# KiCad board Batch 1.kicad_pcb (continued)
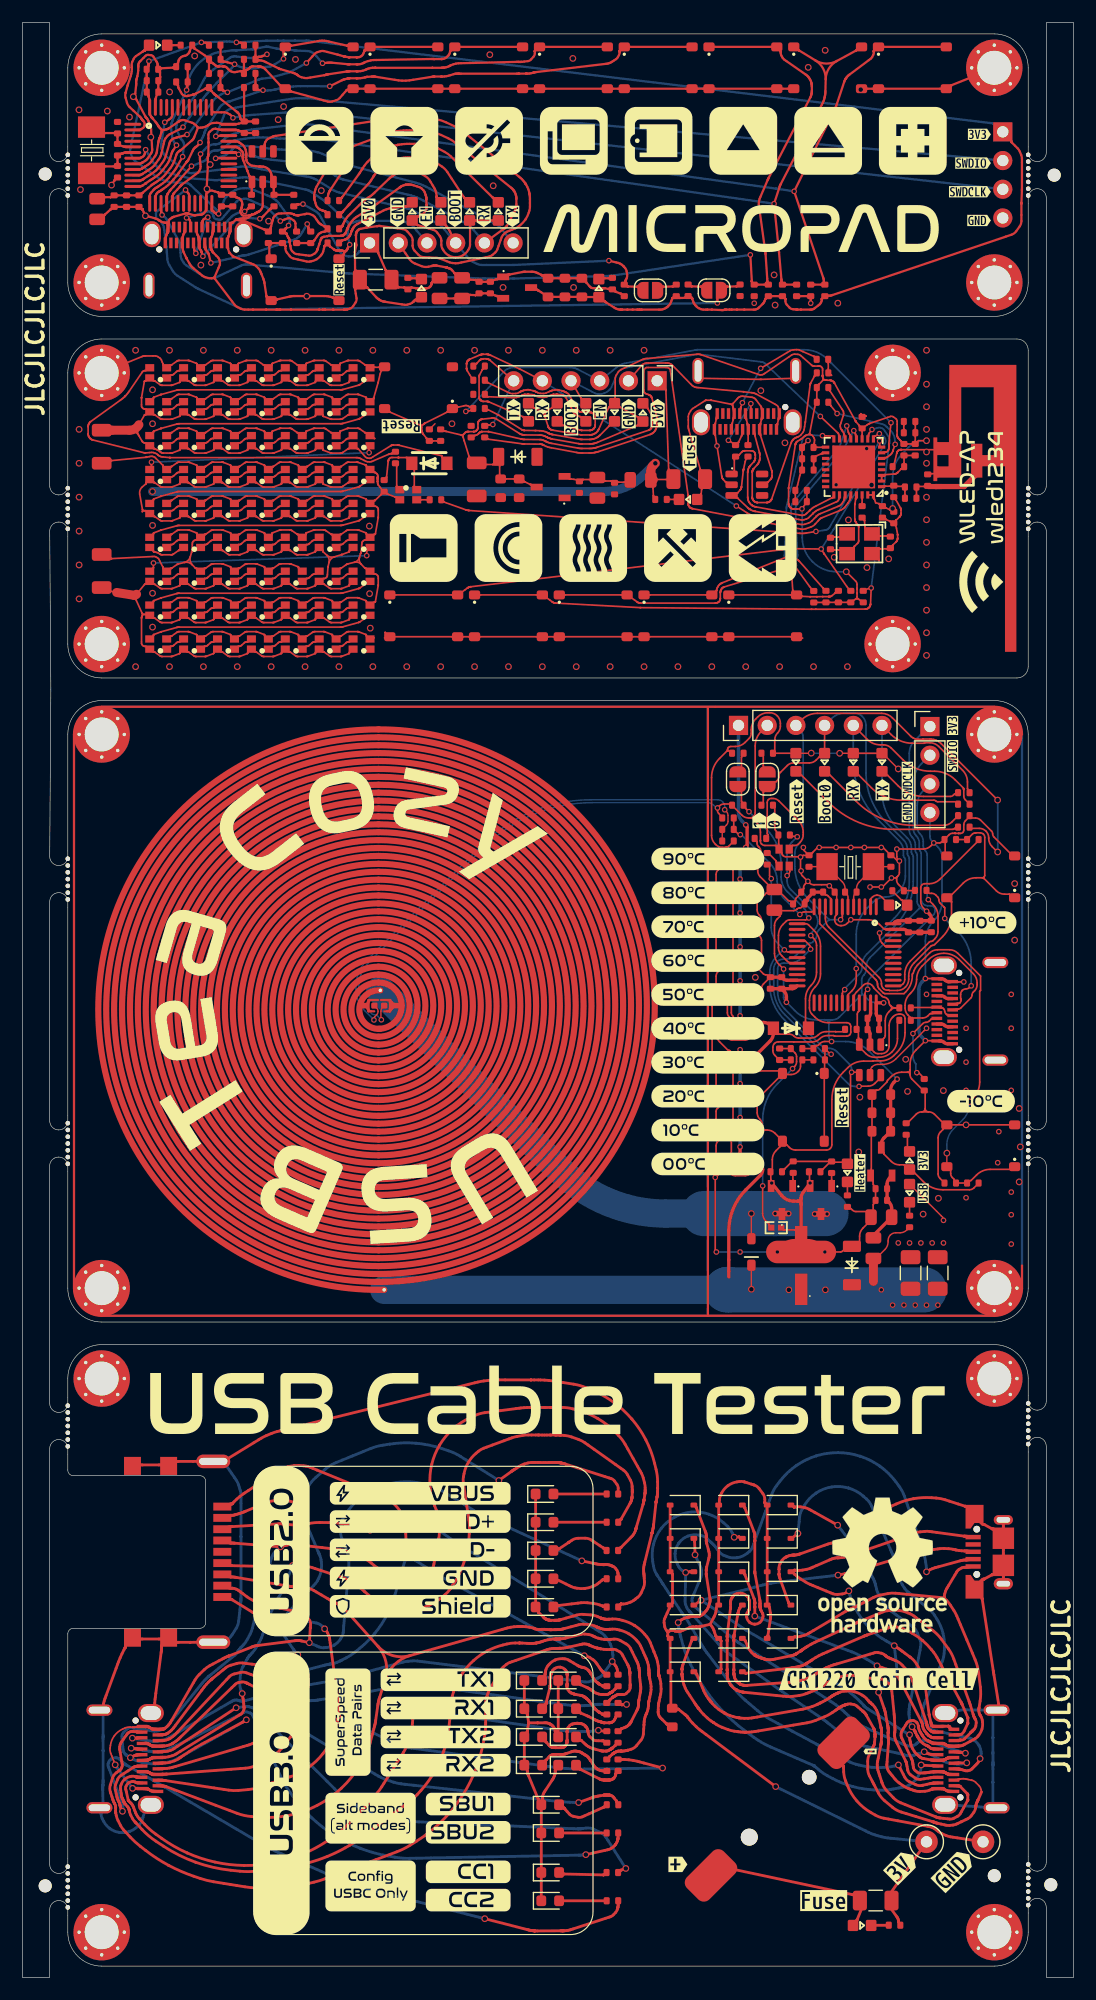
[diagram p0: board, top side]
## Routing (per net, layer and track width the routed paths; a pad name or vN(x,y) marks a point on that pad's centre or on a via; arc(x,y) is an arc through that point) (continued)
  Top w0.2: 16.56,169.66 16.71,169.46 arc(16.71,169.45) 16.71,169.45 arc(16.71,169.45) 16.71,169.45 16.71,169.45 arc(16.71,169.45) 16.71,169.45 16.72,169.45 arc(16.72,169.45) 16.72,169.44 arc(16.72,169.44) 16.72,169.44 16.76,169.43 arc(16.79,169.42) 16.82,169.4 16.88,169.37 arc(16.9,169.36) 16.93,169.34 17.09,169.2 arc(17.11,169.18) 17.13,169.17 17.18,169.15 arc(17.2,169.14) 17.23,169.14 17.29,169.13 arc(17.3,169.13) 17.31,169.13 arc(17.32,169.13) 17.33,169.13 17.36,169.13 arc(17.37,169.13) 17.38,169.13 arc(17.39,169.13) 17.39,169.13 17.75,169.13 arc(17.75,169.13) 17.76,169.13 arc(17.76,169.13) 17.76,169.13 arc(17.77,169.13) 17.77,169.13 17.81,169.13 arc(17.86,169.12) 17.9,169.11 17.99,169.08 arc(18.03,169.06) 18.06,169.03 18.32,168.76 arc(18.39,168.71) 18.47,168.68 18.63,168.62 arc(18.72,168.61) 18.8,168.61 19.31,168.71 arc(19.31,168.71) 19.32,168.71 19.32,168.71 arc(19.32,168.71) 19.32,168.71 arc(19.32,168.71) 19.33,168.71 19.5,168.57 ; 16.56,169.66 arc(16.5,169.75) 16.42,169.83 ; 16.56,169.66 arc(16.52,169.67) 16.5,169.64 ; 16.25,157.31 16.25,157.6 ; 16.25,157.31 16.25,157.6 ; 16.25,157.31 16.25,156.69 ; 16.25,157.31 16.25,156.69 ; 16.25,157.6 16.25,157.63 ; 16.25,157.6 arc(16.25,157.62) 16.25,157.63 ; 51.95,167.15 66.55,167.15 ; 51.95,167.15 51.55,167.15 ; 51.95,167.15 arc(51.77,167.11) 51.62,167 arc(51.63,167.1) 51.55,167.15 ; 49.33,150.38 46.69,150.38 arc(46.51,150.4) 46.33,150.46 46.03,150.61 arc(46.03,150.61) 46.03,150.61 arc(46.03,150.61) 46.03,150.61 arc(46.03,150.61) 46.03,150.62 46.02,150.62 arc(46.02,150.62) 46.02,150.62 arc(46.02,150.62) 46.02,150.62 46.02,150.62 arc(46.01,150.62) 46.01,150.62 46,150.63 arc(45.99,150.64) 45.98,150.64 45.96,150.66 arc(45.94,150.66) 45.93,150.67 arc(45.92,150.67) 45.91,150.68 45.49,150.87 arc(45.44,150.89) 45.38,150.91 45.26,150.94 arc(45.2,150.95) 45.14,150.95 44.44,150.95 arc(44.41,150.95) 44.39,150.95 44.33,150.94 arc(44.31,150.94) 44.28,150.93 44.23,150.92 43.09,150.7 arc(43.08,150.7) 43.08,150.7 arc(43.08,150.7) 43.08,150.7 43.07,150.7 arc(43.07,150.7) 43.07,150.7 43.01,150.7 arc(42.97,150.69) 42.92,150.68 42.14,150.32 arc(42.09,150.31) 42.04,150.3 41.99,150.3 arc(41.99,150.3) 41.98,150.3 41.98,150.3 arc(41.97,150.3) 41.97,150.3 41.84,150.26 arc(41.72,150.22) 41.6,150.16 41.5,150.11 arc(41.4,150.07) 41.29,150.06 40.51,150.06 arc(40.4,150.07) 40.3,150.11 40.09,150.22 arc(40.08,150.22) 40.08,150.22 arc(40.08,150.22) 40.08,150.22 arc(40.08,150.22) 40.08,150.22 39.65,150.25 arc(39.6,150.25) 39.55,150.25 arc(39.5,150.25) 39.45,150.26 39.2,150.33 arc(38.91,150.43) 38.63,150.57 38.25,150.81 arc(38.25,150.81) 38.24,150.81 arc(38.24,150.81) 38.24,150.81 arc(38.24,150.81) 38.24,150.82 38.24,150.82 arc(38.24,150.82) 38.24,150.82 arc(38.24,150.82) 38.23,150.82 37.99,151.11 arc(37.96,151.14) 37.93,151.17 37.86,151.21 arc(37.82,151.23) 37.78,151.25 37.73,151.26 arc(37.72,151.26) 37.71,151.27 37.6,151.3 arc(37.59,151.3) 37.59,151.31 37.58,151.31 arc(37.58,151.31) 37.58,151.31 arc(37.57,151.31) 37.57,151.31 37.56,151.31 arc(37.55,151.32) 37.55,151.32 37.46,151.34 arc(37.45,151.34) 37.44,151.34 arc(37.43,151.34) 37.42,151.35 36.68,151.49 36.64,151.5 arc(36.62,151.5) 36.6,151.5 36.56,151.5 arc(36.54,151.5) 36.52,151.5 36.39,151.49 arc(36.38,151.49) 36.37,151.49 36.36,151.49 arc(36.35,151.49) 36.34,151.48 arc(36.33,151.48) 36.32,151.48 36.23,151.46 arc(36.22,151.46) 36.22,151.46 35.92,151.39 arc(35.61,151.37) 35.32,151.44 34.73,151.68 arc(34.47,151.83) 34.26,152.05 33.9,152.57 J2.2 ; 49.33,150.38 arc(49.48,150.42) 49.59,150.53 arc(49.56,150.38) 49.63,150.26 ; 49.33,150.38 arc(49.49,150.34) 49.63,150.26 ; C27.2 69.66,148.79 arc(69.73,148.77) 69.75,148.7 69.75,148.47 v2(69.75,148.16) ; C3.2 19.59,168.61 ; 16.25,156.69 16.25,156.54 arc(16.22,156.39) 16.15,156.26 16.02,156.11 arc(16,156.08) 15.97,156.06 15.9,156.03 arc(15.87,156.01) 15.83,156.01 15.76,156 15.32,155.95 15.28,155.95 arc(15.26,155.94) 15.24,155.94 15.19,155.95 arc(15.17,155.95) 15.15,155.96 14.73,156.07 arc(14.72,156.08) 14.7,156.08 14.7,156.08 arc(14.69,156.08) 14.69,156.08 14.68,156.08 arc(14.68,156.09) 14.68,156.09 arc(14.67,156.09) 14.67,156.09 14.66,156.09 arc(14.66,156.09) 14.65,156.09 14.65,156.09 arc(14.65,156.09) 14.65,156.1 arc(14.64,156.1) 14.64,156.1 14.61,156.11 arc(14.58,156.11) 14.55,156.12 14.49,156.12 arc(14.46,156.12) 14.43,156.11 14.37,156.09 13.39,155.82 13.36,155.81 arc(13.34,155.8) 13.33,155.79 13.29,155.78 arc(13.28,155.77) 13.26,155.76 arc(13.25,155.75) 13.23,155.74 13.03,155.6 arc(13,155.58) 12.98,155.55 12.94,155.48 arc(12.93,155.45) 12.93,155.41 12.93,155.33 arc(12.92,155.28) 12.92,155.23 12.9,155.09 ; 19.5,168.57 arc(19.56,168.56) 19.59,168.61 ; 19.5,168.57 arc(19.58,168.55) 19.65,168.59 ; 6.83,155.73 7.25,155.99 arc(7.25,155.99) 7.26,155.99 arc(7.26,155.99) 7.26,155.99 7.26,155.99 arc(7.26,155.99) 7.26,155.99 7.8,156.48 arc(7.8,156.48) 7.8,156.48 arc(7.8,156.48) 7.8,156.48 arc(7.8,156.48) 7.81,156.48 8.01,156.63 arc(8.11,156.67) 8.21,156.69 10.19,156.69 arc(10.29,156.67) 10.39,156.63 10.59,156.48 arc(10.6,156.48) 10.6,156.48 arc(10.6,156.48) 10.6,156.48 arc(10.6,156.48) 10.6,156.48 10.6,156.48 arc(10.6,156.47) 10.6,156.47 arc(10.6,156.47) 10.6,156.47 10.61,156.47 arc(10.61,156.47) 10.61,156.47 10.61,156.47 arc(10.61,156.46) 10.61,156.46 10.77,156.1 arc(10.8,156.05) 10.84,156.01 v1(10.87,155.9) 10.94,155.93 arc(10.98,155.89) 11.04,155.87 11.16,155.84 11.69,155.69 11.78,155.66 arc(11.83,155.64) 11.87,155.62 11.96,155.58 arc(12.01,155.56) 12.05,155.53 12.08,155.51 arc(12.09,155.5) 12.09,155.5 arc(12.1,155.49) 12.1,155.49 12.15,155.45 arc(12.21,155.41) 12.28,155.38 12.41,155.33 arc(12.48,155.31) 12.55,155.3 12.71,155.28 arc(12.71,155.28) 12.71,155.28 arc(12.72,155.28) 12.72,155.28 12.72,155.28 arc(12.72,155.28) 12.72,155.28 12.78,155.28 arc(12.81,155.26) 12.83,155.23 12.85,155.09 ; 6.83,155.73 arc(6.61,155.57) 6.43,155.38 arc(6.47,155.56) 6.35,155.7 arc(6.6,155.65) 6.83,155.73 ; R26.1 52.96,149 arc(52.95,149) 52.95,149 arc(52.95,149) 52.95,149 arc(52.95,149) 52.95,149 52.5,149.18 arc(52.5,149.18) 52.5,149.18 arc(52.5,149.18) 52.5,149.18 arc(52.5,149.18) 52.49,149.18 52.29,149.33 arc(52.2,149.38) 52.09,149.41 52.03,149.42 arc(51.98,149.42) 51.93,149.43 51.88,149.43 arc(51.87,149.43) 51.87,149.43 51.87,149.43 arc(51.86,149.43) 51.86,149.43 arc(51.86,149.43) 51.86,149.43 51.52,149.5 arc(51.51,149.5) 51.49,149.5 51.46,149.5 arc(51.45,149.5) 51.44,149.5 51.43,149.5 arc(51.42,149.5) 51.42,149.5 51.41,149.5 arc(51.41,149.5) 51.41,149.5 arc(51.4,149.5) 51.4,149.5 51.39,149.5 arc(51.39,149.5) 51.38,149.5 50.56,149.5 50.47,149.5 arc(50.42,149.5) 50.38,149.52 50.29,149.56 arc(50.25,149.58) 50.22,149.61 49.89,150.01 arc(49.89,150.01) 49.89,150.01 arc(49.89,150.01) 49.89,150.01 arc(49.88,150.01) 49.88,150.01 49.63,150.26 ; 12.85,154.71 12.83,154.58 arc(12.83,154.53) 12.83,154.48 12.83,154.42 arc(12.82,154.41) 12.82,154.41 12.82,154.39 arc(12.82,154.39) 12.81,154.38 12.8,154.35 arc(12.79,154.33) 12.78,154.31 12.76,154.28 arc(12.75,154.26) 12.75,154.24 12.69,154.06 arc(12.68,154.05) 12.68,154.04 12.68,154.01 arc(12.68,154) 12.68,153.99 12.68,153.93 arc(12.67,153.88) 12.67,153.83 J1.B12 ; 12.85,154.71 12.9,155.09 ; 12.85,154.71 arc(12.86,154.9) 12.85,155.09 ; 12.09,168.91 12.13,168.93 arc(12.17,168.95) 12.22,168.96 12.27,168.96 arc(12.27,168.96) 12.27,168.96 arc(12.28,168.96) 12.28,168.96 13.31,169.01 arc(13.31,169.01) 13.32,169.01 arc(13.32,169.01) 13.32,169.02 13.37,169.02 arc(13.42,169.02) 13.46,169.04 13.5,169.06 arc(13.58,169.11) 13.63,169.18 13.75,169.41 arc(13.75,169.42) 13.75,169.42 arc(13.75,169.42) 13.75,169.42 13.82,169.67 arc(13.85,169.75) 13.91,169.82 14.04,169.95 arc(14.12,170) 14.2,170.03 14.29,170.05 arc(14.29,170.05) 14.3,170.05 arc(14.31,170.05) 14.31,170.05 14.4,170.07 arc(14.48,170.1) 14.56,170.15 14.69,170.28 arc(14.75,170.35) 14.78,170.43 14.83,170.6 arc(14.85,170.68) 14.89,170.76 14.93,170.84 arc(15.02,170.9) 15.11,170.86 15.22,170.71 arc(15.22,170.7) 15.22,170.7 arc(15.22,170.7) 15.22,170.7 15.22,170.7 arc(15.23,170.7) 15.23,170.69 16.11,170.11 arc(16.25,170) 16.38,169.88 16.42,169.83 ; 12.09,168.91 arc(12.04,168.86) 12.04,168.79 ; 12.09,168.91 arc(12.02,168.91) 11.99,168.96 ; 16.42,169.83 arc(16.48,169.74) 16.5,169.64 ; 12.04,168.79 12.16,168.56 arc(12.16,168.55) 12.16,168.55 arc(12.16,168.55) 12.16,168.55 12.16,168.55 arc(12.16,168.55) 12.16,168.55 12.17,168.18 arc(12.17,168.18) 12.17,168.18 12.17,168.18 arc(12.17,168.18) 12.17,168.18 arc(12.17,168.18) 12.17,168.17 12.06,167.96 arc(12.02,167.86) 12.01,167.75 12.01,166.96 arc(12,166.85) 11.96,166.75 11.92,166.67 arc(11.86,166.53) 11.81,166.39 11.76,166.23 arc(11.76,166.22) 11.76,166.2 11.75,166.17 arc(11.75,166.15) 11.75,166.13 U2.47 ; 12.04,168.79 arc(12.01,168.87) 11.99,168.96 ; C17.1 8.14,159.05 arc(8.14,159.04) 8.14,159.04 8.14,159.04 v1(7.87,158.62) ; 12.9,155.09 arc(12.88,155.07) 12.85,155.09 ; 18.89,155.55 19.47,155.42 arc(19.49,155.41) 19.5,155.41 19.54,155.41 arc(19.56,155.4) 19.58,155.4 19.64,155.4 arc(19.67,155.39) 19.71,155.39 19.77,155.37 arc(19.8,155.36) 19.83,155.35 19.9,155.33 21.43,154.67 arc(21.43,154.67) 21.43,154.67 21.43,154.67 arc(21.43,154.67) 21.44,154.67 21.6,154.59 arc(21.74,154.57) 21.86,154.64 21.96,154.77 arc(21.96,154.78) 21.96,154.78 21.96,154.78 arc(21.96,154.78) 21.96,154.78 21.96,154.8 arc(21.96,154.82) 21.97,154.84 21.97,154.88 arc(21.98,154.9) 21.98,154.92 22.13,155.5 22.19,155.71 arc(22.23,155.81) 22.31,155.89 22.48,156.03 arc(22.57,156.08) 22.68,156.1 23.44,156.13 23.57,156.13 arc(23.64,156.13) 23.7,156.12 23.84,156.09 arc(23.9,156.07) 23.96,156.05 24.07,155.99 arc(24.11,155.97) 24.15,155.96 24.24,155.95 arc(24.28,155.94) 24.32,155.94 24.36,155.95 arc(24.36,155.95) 24.36,155.95 arc(24.37,155.95) 24.37,155.95 24.38,155.95 arc(24.39,155.95) 24.4,155.95 24.43,155.95 arc(24.44,155.95) 24.45,155.96 24.97,156.05 arc(24.98,156.05) 24.99,156.06 25.14,156.09 arc(25.27,156.09) 25.4,156.06 25.65,155.96 arc(25.76,155.9) 25.85,155.8 26.18,155.33 arc(26.2,155.3) 26.23,155.28 26.28,155.22 arc(26.31,155.2) 26.35,155.18 26.41,155.14 26.71,154.97 arc(26.72,154.96) 26.72,154.96 26.72,154.96 arc(26.72,154.96) 26.72,154.96 26.86,154.86 arc(26.92,154.74) 26.87,154.63 26.77,154.52 arc(26.74,154.5) 26.7,154.49 26.58,154.48 arc(26.5,154.46) 26.42,154.43 26.28,154.34 arc(26.21,154.29) 26.16,154.23 26.06,154.09 25.8,153.71 arc(25.8,153.71) 25.8,153.7 25.8,153.7 arc(25.8,153.7) 25.8,153.7 arc(25.8,153.7) 25.79,153.7 25.59,153.55 arc(25.49,153.51) 25.39,153.49 R6.2 ; 18.89,155.55 arc(18.89,155.55) 18.9,155.55 18.91,155.56 arc(18.93,155.56) 18.94,155.56 18.98,155.56 arc(18.99,155.57) 19.01,155.57 19.38,155.65 arc(19.41,155.65) 19.45,155.66 19.51,155.66 arc(19.55,155.66) 19.58,155.66 19.6,155.66 arc(19.61,155.66) 19.62,155.66 arc(19.62,155.66) 19.63,155.66 19.68,155.66 arc(19.74,155.66) 19.8,155.67 19.92,155.71 arc(19.97,155.74) 20.02,155.77 20.27,155.99 ; 18.89,155.55 arc(18.89,155.55) 18.88,155.55 ; 18.89,155.55 arc(18.89,155.55) 18.88,155.55 ; 20.27,155.99 20.24,155.98 arc(20.21,155.97) 20.18,155.96 20.12,155.94 arc(20.09,155.94) 20.06,155.93 19.77,155.92 19.57,155.91 arc(19.48,155.93) 19.41,155.99 19.29,156.16 arc(19.26,156.24) 19.27,156.33 19.38,156.61 arc(19.39,156.62) 19.39,156.63 19.4,156.66 arc(19.4,156.68) 19.41,156.69 19.42,156.82 arc(19.42,156.82) 19.42,156.83 19.42,156.85 arc(19.42,156.86) 19.42,156.87 arc(19.42,156.88) 19.42,156.88 19.42,156.92 arc(19.42,156.93) 19.43,156.94 19.43,156.94 arc(19.43,156.95) 19.43,156.95 19.43,157.04 arc(19.42,157.12) 19.38,157.2 19.29,157.34 arc(19.23,157.4) 19.16,157.45 18.9,157.55 arc(18.9,157.55) 18.9,157.55 arc(18.9,157.55) 18.9,157.55 arc(18.9,157.55) 18.89,157.55 18.69,157.7 arc(18.59,157.74) 18.49,157.76 17.71,157.76 arc(17.61,157.78) 17.51,157.82 17.31,157.97 arc(17.3,157.97) 17.3,157.97 arc(17.3,157.97) 17.3,157.97 17.3,157.97 arc(17.3,157.97) 17.29,157.97 16.77,158.13 arc(16.66,158.14) 16.55,158.09 16.35,157.94 arc(16.28,157.85) 16.25,157.74 16.25,157.63 ; 20.27,155.99 arc(20.27,156) 20.28,156 ; 20.27,155.99 arc(20.27,156) 20.28,156 ; C5.2 16.49,168.67 arc(16.49,168.72) 16.5,168.77 16.5,169.48 arc(16.5,169.53) 16.5,169.58 16.5,169.64 ; 23.5,167.03 23.74,166.91 arc(23.74,166.91) 23.74,166.91 arc(23.74,166.91) 23.75,166.91 arc(23.75,166.91) 23.75,166.91 26.64,166.11 27.01,166.01 arc(27.2,165.99) 27.39,166.01 27.76,166.13 arc(27.93,166.2) 28.07,166.33 28.33,166.62 28.67,167.01 arc(28.67,167.02) 28.68,167.02 arc(28.69,167.03) 28.7,167.04 28.72,167.05 arc(28.73,167.05) 28.74,167.05 28.8,167.05 arc(28.85,167.05) 28.9,167.06 29.06,167.1 arc(29.25,167.14) 29.45,167.15 51.55,167.15 ; 23.5,167.03 arc(23.25,167.16) 23.02,167.3 ; 23.5,167.03 arc(23.26,167.07) 23.05,166.97 arc(23.12,167.14) 23.02,167.3 ; 19.65,168.59 19.8,168.79 arc(19.8,168.8) 19.8,168.8 arc(19.8,168.8) 19.8,168.8 19.8,168.8 arc(19.8,168.8) 19.8,168.8 19.81,168.8 arc(19.81,168.8) 19.81,168.81 arc(19.81,168.81) 19.81,168.81 19.88,168.83 arc(19.92,168.85) 19.96,168.87 20.03,168.92 arc(20.06,168.94) 20.09,168.97 20.12,169 arc(20.12,169) 20.12,169.01 arc(20.12,169.01) 20.12,169.01 20.14,169.03 arc(20.17,169.06) 20.2,169.08 20.27,169.11 arc(20.3,169.12) 20.34,169.13 20.86,169.13 arc(20.86,169.13) 20.86,169.13 20.87,169.13 arc(20.87,169.13) 20.88,169.13 arc(20.88,169.13) 20.88,169.13 20.89,169.13 arc(20.9,169.13) 20.92,169.12 20.94,169.12 arc(20.95,169.12) 20.96,169.12 21.01,169.11 arc(21.04,169.11) 21.06,169.1 21.11,169.09 arc(21.13,169.09) 21.15,169.08 21.17,169.07 arc(21.17,169.07) 21.18,169.07 arc(21.18,169.07) 21.19,169.06 21.23,169.05 arc(21.27,169.03) 21.31,169 21.4,168.95 arc(21.43,168.92) 21.47,168.88 21.54,168.81 22.78,167.47 arc(22.78,167.47) 22.78,167.46 22.78,167.46 arc(22.79,167.46) 22.79,167.46 23.02,167.3 ; 19.65,168.59 arc(19.61,168.58) 19.59,168.61 ; 66.95,167.15 SW7.3 ; 66.95,167.15 66.55,167.15 ; 66.95,167.15 arc(66.77,167.11) 66.62,167 arc(66.63,167.1) 66.55,167.15 ; 20.28,156 20.46,156.04 arc(20.49,156.05) 20.51,156.06 20.55,156.08 arc(20.57,156.09) 20.59,156.1 20.6,156.12 arc(20.61,156.12) 20.61,156.12 arc(20.62,156.13) 20.62,156.13 20.64,156.14 arc(20.65,156.15) 20.67,156.17 20.71,156.19 arc(20.73,156.2) 20.75,156.21 20.78,156.22 arc(20.79,156.22) 20.79,156.22 20.8,156.23 arc(20.81,156.23) 20.83,156.24 20.85,156.25 arc(20.86,156.26) 20.88,156.26 21.01,156.35 arc(21.07,156.4) 21.12,156.47 21.21,156.62 arc(21.24,156.7) 21.25,156.79 ESD1.2 ; 16.25,157.63 arc(16.25,157.64) 16.25,157.66 16.39,160.17 arc(16.39,160.21) 16.39,160.26 arc(16.39,160.31) 16.39,160.35 16.39,161 arc(16.39,161.03) 16.39,161.05 16.4,161.1 arc(16.4,161.12) 16.41,161.15 16.41,161.16 arc(16.41,161.17) 16.42,161.18 arc(16.42,161.18) 16.42,161.19 16.42,161.21 arc(16.43,161.23) 16.43,161.25 16.44,161.29 arc(16.44,161.32) 16.44,161.34 16.44,161.38 16.45,162.37 arc(16.45,162.38) 16.45,162.39 arc(16.45,162.4) 16.45,162.41 16.44,163.08 arc(16.47,163.22) 16.56,163.34 16.8,163.54 arc(16.93,163.6) 17.08,163.61 17.54,163.51 arc(17.56,163.51) 17.57,163.5 17.6,163.5 arc(17.61,163.5) 17.62,163.5 18.89,163.5 arc(18.92,163.5) 18.94,163.49 19,163.48 arc(19.02,163.48) 19.05,163.47 19.07,163.46 arc(19.07,163.46) 19.08,163.45 19.1,163.44 arc(19.12,163.44) 19.13,163.43 19.17,163.42 arc(19.19,163.41) 19.21,163.41 19.27,163.4 arc(19.3,163.39) 19.34,163.37 19.52,163.28 arc(19.62,163.24) 19.73,163.23 20.51,163.23 arc(20.62,163.24) 20.72,163.28 ; 18.88,155.55 18.58,155.29 arc(18.58,155.29) 18.57,155.29 18.55,155.28 arc(18.54,155.28) 18.53,155.28 18.48,155.28 arc(18.44,155.26) 18.42,155.23 18.33,154.58 arc(18.33,154.53) 18.32,154.48 18.32,154.41 arc(18.32,154.4) 18.32,154.39 18.32,154.37 arc(18.32,154.35) 18.31,154.34 18.25,154.16 arc(18.25,154.14) 18.24,154.12 18.22,154.09 arc(18.21,154.07) 18.2,154.05 18.19,154.04 arc(18.19,154.03) 18.19,154.03 arc(18.19,154.03) 18.19,154.02 18.19,154.02 arc(18.18,154.02) 18.18,154.01 18.18,154 arc(18.18,153.99) 18.18,153.98 arc(18.18,153.98) 18.18,153.97 18.18,153.93 arc(18.17,153.88) 18.17,153.83 18.15,153.69 arc(18.14,153.5) 18.15,153.31 18.17,153.18 arc(18.17,153.13) 18.18,153.08 18.18,153.02 arc(18.18,153.02) 18.18,153.02 18.18,153.01 arc(18.18,153) 18.18,153 18.27,152.68 arc(18.28,152.68) 18.28,152.67 arc(18.28,152.67) 18.28,152.66 18.29,152.65 arc(18.29,152.64) 18.3,152.64 arc(18.3,152.64) 18.3,152.63 18.32,152.62 18.61,152.32 arc(18.62,152.32) 18.62,152.31 18.63,152.31 arc(18.63,152.31) 18.64,152.3 arc(18.64,152.3) 18.65,152.3 20.2,151.69 20.44,151.59 arc(20.56,151.53) 20.66,151.45 20.86,151.27 arc(20.94,151.17) 21.01,151.05 21.1,150.86 arc(21.11,150.83) 21.12,150.79 arc(21.13,150.76) 21.15,150.73 21.33,150.27 arc(21.34,150.23) 21.35,150.19 21.38,150.1 arc(21.39,150.06) 21.39,150.02 21.41,149.93 21.58,148.78 arc(21.58,148.78) 21.58,148.78 arc(21.59,148.78) 21.59,148.77 21.59,148.77 arc(21.59,148.77) 21.59,148.77 21.59,148.77 arc(21.59,148.77) 21.59,148.76 arc(21.59,148.76) 21.59,148.76 21.85,148.54 arc(22.01,148.45) 22.2,148.45 22.35,148.49 arc(22.4,148.5) 22.45,148.5 22.5,148.5 arc(22.51,148.5) 22.51,148.5 22.51,148.5 arc(22.52,148.5) 22.52,148.5 arc(22.52,148.5) 22.53,148.5 23.7,148.77 arc(23.75,148.78) 23.8,148.78 23.9,148.8 arc(23.95,148.8) 24,148.8 25.49,148.8 arc(25.49,148.8) 25.5,148.8 26.87,148.8 arc(26.96,148.79) 27.05,148.78 27.23,148.74 arc(27.31,148.72) 27.4,148.68 27.5,148.64 arc(27.5,148.64) 27.5,148.64 27.5,148.64 arc(27.5,148.64) 27.51,148.64 arc(27.51,148.64) 27.51,148.64 SW1.4 ; 11.99,168.96 11.97,169.04 arc(11.97,169.09) 11.97,169.14 11.97,169.17 arc(11.97,169.19) 11.96,169.21 11.96,169.27 arc(11.95,169.32) 11.94,169.36 11.91,169.44 arc(11.89,169.48) 11.87,169.52 11.57,169.99 arc(11.49,170.07) 11.37,170.11 11.11,170.14 arc(10.99,170.13) 10.89,170.06 10.7,169.88 10.36,169.53 arc(10.32,169.49) 10.29,169.44 10.25,169.33 arc(10.24,169.27) 10.23,169.22 10.24,169.01 arc(10.24,168.88) 10.23,168.76 10.2,168.51 arc(10.19,168.39) 10.16,168.26 10.07,167.93 arc(10.06,167.91) 10.06,167.88 10.05,167.83 arc(10.05,167.81) 10.05,167.78 10.05,167.6 arc(10.05,167.57) 10.05,167.54 10.05,167.49 arc(10.05,167.47) 10.05,167.44 9.97,166.73 9.96,166.62 arc(9.96,166.56) 9.96,166.5 9.99,166.38 arc(10,166.33) 10.02,166.27 10.08,166.17 10.86,164.7 10.88,164.67 arc(10.88,164.66) 10.89,164.65 10.91,164.62 arc(10.92,164.61) 10.93,164.6 10.99,164.53 arc(11.02,164.5) 11.04,164.47 11.08,164.41 arc(11.1,164.37) 11.11,164.34 11.14,164.27 11.32,163.83 arc(11.33,163.8) 11.34,163.76 11.36,163.68 arc(11.36,163.64) 11.37,163.6 11.37,163.51 11.47,161.83 11.47,161.74 arc(11.47,161.69) 11.46,161.64 11.44,161.55 arc(11.42,161.51) 11.4,161.47 11.12,161.05 11.07,160.98 arc(11.04,160.94) 11.01,160.91 10.95,160.84 arc(10.92,160.82) 10.88,160.79 10.61,160.61 arc(10.6,160.61) 10.59,160.6 10.57,160.59 arc(10.57,160.59) 10.56,160.59 10.46,160.54 arc(10.36,160.51) 10.26,160.5 U2.8 ; 7,169 6.31,167.33 6.28,167.26 arc(6.27,167.23) 6.26,167.19 ; 81.92,167.26 82.21,167.46 arc(82.21,167.46) 82.22,167.46 82.22,167.46 arc(82.22,167.46) 82.22,167.46 84.28,168.29 arc(84.28,168.29) 84.29,168.29 arc(84.29,168.29) 84.3,168.29 86,169 ; 81.92,167.26 arc(81.84,167.14) 81.88,167 ; 81.92,167.26 arc(81.74,167.18) 81.55,167.15 74.6,167.15 v1(74.18,167.07) SW7.4 ; 7,150 6.31,151.67 6.28,151.74 arc(6.27,151.78) 6.26,151.82 6.24,151.89 arc(6.24,151.93) 6.23,151.97 6.23,152.04
  Top w0.25: 45.91,7.26 45.91,8.81 ; 44.67,21.75 44.67,21.75 arc(44.67,21.75) 44.67,21.76 arc(44.67,21.76) 44.67,21.76 44.67,21.77 arc(44.67,21.78) 44.67,21.79 44.67,21.82 arc(44.67,21.83) 44.68,21.84 44.79,22.53 ; 44.41,19.26 44.41,20.81 ; 44.79,22.53 arc(44.8,22.53) 44.8,22.53 ; 44.79,22.53 arc(44.79,22.53) 44.79,22.54 ; 47.14,21.75 47.14,21.75 arc(47.14,21.75) 47.14,21.76 47.14,21.76 arc(47.14,21.76) 47.14,21.77 47.13,21.86 arc(47.12,21.94) 47.08,22.02 46.99,22.18 arc(46.93,22.25) 46.86,22.31 46.67,22.43 arc(46.62,22.46) 46.56,22.48 46.45,22.52 arc(46.4,22.53) 46.34,22.53 46.16,22.53 45.59,22.53 arc(45.59,22.53) 45.58,22.53 arc(45.58,22.53) 45.58,22.53 44.81,22.53 arc(44.81,22.53) 44.8,22.53 44.8,22.53 ; 45.64,15.75 45.64,15.75 arc(45.64,15.75) 45.64,15.75 45.64,15.75 arc(45.64,15.76) 45.64,15.76 44.78,17.85 44.72,17.98 arc(44.71,18.03) 44.7,18.07 44.68,18.17 arc(44.67,18.22) 44.67,18.26 44.67,18.31 arc(44.67,18.31) 44.67,18.31 ; 44.67,23.31 44.67,23.31 arc(44.67,23.3) 44.67,23.3 44.67,23.29 arc(44.67,23.28) 44.67,23.27 44.67,23.25 arc(44.67,23.23) 44.68,23.22 arc(44.68,23.21) 44.68,23.2 44.79,22.54 ; 44.79,22.54 arc(44.8,22.53) 44.8,22.53 ; 45.41,39.81 45.41,38.26 ; 47.41,23.31 47.41,21.76 ; 45.91,13.26 45.91,14.81 ; 45.91,9.76 45.91,12.31 ; 46,15.76 46,15.85 arc(46.01,15.94) 46.03,16.03 46.08,16.21 arc(46.11,16.29) 46.15,16.37 46.95,17.59 arc(46.98,17.64) 47,17.69 47.05,17.81 arc(47.07,17.86) 47.09,17.92 47.11,17.98 arc(47.11,17.98) 47.11,17.98 arc(47.11,17.98) 47.11,17.98 47.12,18.02 arc(47.12,18.06) 47.13,18.1 47.14,18.18 arc(47.14,18.22) 47.14,18.26 47.14,18.3 arc(47.14,18.31) 47.14,18.31 47.14,18.31 arc(47.14,18.31) 47.14,18.31 ; 45.41,34.81 45.41,33.26 ; 45.41,42.31 45.41,40.76 ; TP1.1 82.72,12.35 82.12,12.44 arc(81.93,12.49) 81.74,12.55 81.37,12.72 arc(81.19,12.81) 81.03,12.93 80.88,13.05 arc(80.87,13.05) 80.87,13.06 arc(80.86,13.06) 80.86,13.07 80.8,13.12 arc(80.73,13.17) 80.65,13.21 80.5,13.28 arc(80.42,13.31) 80.33,13.33 77.45,13.86 76.22,14.09 arc(75.83,14.2) 75.46,14.37 75.1,14.57 arc(74.42,15.04) 73.84,15.61 arc(73.36,16.27) 72.99,17.01 72.84,17.39 arc(72.72,17.78) 72.67,18.19 72.65,18.66 arc(72.65,18.67) 72.65,18.68 72.64,18.7 arc(72.63,18.71) 72.62,18.72 72.62,18.73 arc(72.62,18.73) 72.62,18.73 72.61,18.73 ; 45.41,37.31 45.41,35.76 ; 44.41,25.81 44.41,24.26 ; 47.41,25.81 47.41,24.26 ; 57.03,22.41 57.03,22.41 arc(57.03,22.41) 57.03,22.41 arc(57.02,22.42) 57.02,22.42 57.02,22.42 arc(57.02,22.42) 57.01,22.42 arc(57.01,22.42) 57.01,22.43 56.49,22.94 56.43,23 arc(56.38,23.06) 56.34,23.14 56.28,23.3 arc(56.25,23.38) 56.25,23.46 56.27,24.06 arc(56.27,24.07) 56.27,24.09 56.27,24.11 arc(56.27,24.12) 56.27,24.13 arc(56.28,24.14) 56.28,24.15 56.29,24.2 arc(56.29,24.22) 56.29,24.24 arc(56.3,24.26) 56.3,24.28 56.47,25.07 arc(56.51,25.3) 56.51,25.53 56.49,25.99 arc(56.46,26.21) 56.4,26.44 56.32,26.69 arc(56.32,26.7) 56.31,26.72 56.31,26.75 arc(56.3,26.76) 56.3,26.78 56.3,26.8 arc(56.3,26.81) 56.3,26.82 56.3,26.83 arc(56.29,26.84) 56.29,26.85 56.29,26.87 arc(56.29,26.87) 56.29,26.87 arc(56.29,26.88) 56.29,26.89 56.29,26.91 arc(56.29,26.92) 56.29,26.94 56.29,27.2 arc(56.28,27.39) 56.26,27.57 56.19,27.93 arc(56.15,28.11) 56.09,28.29 55.86,28.85 55.55,29.63 arc(55.42,29.89) 55.25,30.14 55.06,30.37 arc(54.64,30.79) 54.17,31.14 arc(53.64,31.41) 53.08,31.6 52.79,31.67 arc(52.5,31.72) 52.2,31.72 51.9,31.7 arc(51.89,31.7) 51.88,31.69 51.86,31.69 arc(51.84,31.69) 51.82,31.69 51.69,31.69 arc(51.67,31.69) 51.65,31.69 51.61,31.7 arc(51.59,31.7) 51.57,31.7 51.44,31.73 arc(51.42,31.73) 51.4,31.73 arc(51.38,31.74) 51.36,31.74 51.31,31.75 arc(51.3,31.76) 51.28,31.76 51.25,31.77 arc(51.24,31.78) 51.22,31.79 50.89,31.93 arc(50.59,32.03) 50.28,32.08 49.65,32.13 arc(49.33,32.12) 49.02,32.06 48.1,31.8 47.6,31.66 arc(47.59,31.66) 47.59,31.65 arc(47.58,31.65) 47.57,31.65 47.53,31.64 arc(47.52,31.64) 47.5,31.63 47.47,31.63 arc(47.46,31.62) 47.44,31.62 47.28,31.61 arc(47.27,31.61) 47.26,31.6 arc(47.25,31.6) 47.24,31.6 47.22,31.6 arc(47.21,31.6) 47.21,31.6 47.18,31.6 arc(47.17,31.6) 47.15,31.6 47.11,31.6 arc(47.1,31.6) 47.09,31.6 47.08,31.6 arc(47.08,31.6) 47.08,31.6 arc(47.08,31.6) 47.08,31.6 46.78,31.6 arc(46.77,31.6) 46.75,31.6 arc(46.74,31.6) 46.73,31.6 46.7,31.6 arc(46.69,31.6) 46.67,31.61 46.62,31.61 arc(46.62,31.61) 46.61,31.61 arc(46.61,31.61) 46.61,31.62 46.59,31.62 arc(46.57,31.62) 46.55,31.62 46.54,31.63 arc(46.51,31.63) 46.48,31.64 46.42,31.66 arc(46.39,31.67) 46.36,31.68 46.28,31.73 arc(46.26,31.74) 46.24,31.76 46.2,31.79 arc(46.18,31.8) 46.16,31.82 45.68,32.29 arc(45.68,32.29) 45.68,32.29 arc(45.67,32.3) 45.67,32.3 45.67,32.3 arc(45.67,32.31) 45.67,32.31 45.67,32.31 arc(45.67,32.31) 45.67,32.31
  Top w0.3: 68.9,68.97 68.9,68.43 ; 68.9,68.97 arc(68.82,68.78) 68.63,68.7 ; 68.9,68.97 arc(68.94,69.22) 69.06,69.45 v2(69.7,70.3) 69.7,70.17 ; 68.9,68.43 68.9,65.68 arc(69.07,65.27) 69.48,65.1 ; 68.9,68.43 arc(68.82,68.62) 68.63,68.7 ; U6.23 67.64,88.25 arc(67.46,88.29) 67.31,88.39 arc(67.17,88.48) 66.99,88.52 C78.2 ; 66.28,70.17 v2(66.3,70.3) 67.17,69.21 arc(67.65,68.83) 68.24,68.7 68.63,68.7 ; ESD3.2 75,83.5 arc(74.97,83.65) 74.89,83.77 arc(74.81,83.89) 74.78,84.04 74.78,84.69 arc(74.82,84.87) 74.91,85.01 arc(75.01,85.16) 75.05,85.34 U6.35 ; 81.11,82.88 81.25,82.88 arc(81.41,82.84) 81.55,82.75 arc(81.69,82.66) 81.85,82.63 J8.B12 ; 81.11,88.38 81.35,88.38 arc(81.51,88.34) 81.65,88.25 arc(81.79,88.16) 81.95,88.13 82.11,88.13 ; C79.2 80.42,92.5 arc(80.41,92.49) 80.4,92.49 78.58,92.49 arc(78.41,92.52) 78.27,92.62 arc(78.13,92.72) 77.96,92.75 76.74,92.75
  Top w0.5: v2(71,64.2) 70.52,64.68 arc(70.05,64.99) 69.5,65.1 68.32,65.1 ; 68.32,65.1 68.3,65.1 arc(67.75,64.99) 67.28,64.68 v2(66.8,64.2) ; 68.32,65.1 arc(68.64,65.27) 68.66,65.63
  Top w2: v2(66.8,64.2) v2(71,64.2)
  Bottom w0.127: v2(31.75,84.75) 31.41,85.09 arc(31.29,85.17) 31.14,85.2 arc(31,85.23) 30.88,85.31 30.55,85.64 arc(29.96,86.52) 29.75,87.57 29.75,87.69 arc(29.98,88.84) 30.64,89.83 40.8,99.98 arc(45.21,102.93) 50.41,103.97 60.6,103.97 arc(60.91,103.91) 61.17,103.73 61.36,103.54 arc(61.4,103.51) 61.45,103.5 v2(61.5,103.5)
  Bottom w0.15: v2(66.8,64.2) v2(63.5,64.2) v2(61.4,64.2) ; 7,142 7.5,140.15 7.51,140.12 arc(7.52,140.1) 7.52,140.09 7.52,140.05 arc(7.52,140.03) 7.52,140.02 7.52,139.98 ; 7,118 7.5,119.85 7.51,119.88 arc(7.52,119.9) 7.52,119.91 7.52,119.95 arc(7.52,119.97) 7.52,119.98 7.52,120.02 ; 78,118 79,118 ; 78,118 arc(77.29,117.71) 77,117 ; 78,118 arc(77.57,118.21) 77.57,118.57 ; J7.4 80.3,100.98 arc(80.34,100.76) 80.47,100.57 v2(80.64,100.4) 81.01,100.03 arc(81.28,99.63) 81.38,99.15 81.38,95.28 arc(81.18,94.32) 80.64,93.5 arc(80.09,92.68) 79.9,91.72 v2(79.9,88.4) ; 77,117 77,116 ; 77,117 arc(77.15,117.89) 77.57,118.57 ; 77.57,118.57 78.41,119.41
  Bottom w0.2: 85.15,150.35 84.34,150.69 84.24,150.73 arc(84.19,150.75) 84.14,150.76 84.03,150.77 arc(83.97,150.77) 83.92,150.76 83.81,150.74 ; 85.15,150.35 arc(85.92,150.25) 86.57,150.57 ; 85.15,150.35 arc(85.77,149.84) 86,149.08 ; 86.92,150 88,150 ; 86.92,150 arc(86.54,150.21) 86.57,150.57 ; 86.92,150 arc(86.27,149.73) 86,149.08 ; 87.41,151.41 86.57,150.57 ; 86,149.08 86,148
  Bottom w0.3: v2(79.9,88.4) 79.61,88.11 arc(79.4,87.79) 79.33,87.42 79.33,83.88 arc(79.4,83.51) 79.61,83.19 v2(79.9,82.9)
  vias: v1(4.99,165.28) v1(5,137) v1(5,134) v1(5,131) v1(5,128) v1(5,125) v1(5,122) v1(5.12,158.22) v1(7.5,165.17) v1(9.46,164.64) v1(9.8,166.44) v1(10,144) v1(10,116) v1(11.35,162.86) v1(13.01,166.86) v1(13,144) v1(13,116) v1(15.23,170.05) v1(15.78,151.54) v1(16,144) v1(16,116) v1(16.32,158.28) v1(16.6,160.44) v1(19,144) v1(19,116) v1(21.77,155.43) v1(22,144) v1(22,116) v1(22.62,164.41) v1(23.1,165.57) v1(24.15,169.74) v1(25,144) v1(25,116) v1(25.15,148.78) v1(26.44,158.13) v1(28,144) v1(28,116) v1(30.69,128.44) v1(30.71,122.46) v1(30.77,119.41) v1(31,144) v1(31,116) v1(34,144) v1(34,116) v1(37,144) v1(37,116) v1(38,137.5) v1(40,144) v1(40,116) v1(41.35,170.16) v1(41.65,158.56) v1(42.52,149.56) v1(43,144) v1(43,116) v1(46,144) v1(46,116) v1(48.7,169.83) v1(48.76,149.56) v1(49,144) v1(49,116) v1(52,144) v1(55,144) v1(55,116) v1(58,116) v1(61,116) v1(64,116) v1(64.85,88.5) v1(65.34,140.43) v1(66.51,150.67) v1(66.6,148) v1(67,116) v1(67.47,135.81) v1(69.53,169.04) v1(70,116) v1(71.03,170.55) v1(71.83,125.68) v1(72.15,148.17) v1(73,116) v1(73.09,128.99) v1(74,73.05) v1(74.1,77.9) v1(74.73,124.77) v1(75.14,132.08) v1(76.65,125.54) v1(78.16,81.25) v1(78.32,78.41) v1(79.7,67.55) v1(80,144) v1(80,141) v1(80,139) v1(80,137) v1(80,135) v1(80,134) v1(80,131) v1(80,129) v1(80,127) v1(80,125) v1(80,123) v1(80,121) v1(80,119) v1(80,117) v1(81.05,68.95) v1(81.49,78.48) v1(87.8,96.8) v1(87.8,91.8) v1(88.2,76.9) v1(88.2,70.4) v1(88.3,73.5) v2(64.75,148.16) v2(72,132.1) v2(74.7,135.3)
